# Altium PCB msp432.PcbDoc
Units mil, origin at the board's own origin, x right, y up, seen from the top; angles counter-clockwise.
Board outline 3937.01 x 3937.01 mil, 2 copper layers (Top Layer, Bottom Layer); 56 components, 95 nets, 400 pads, 39 vias.
Unrouted connection lines stored in the file: 51.
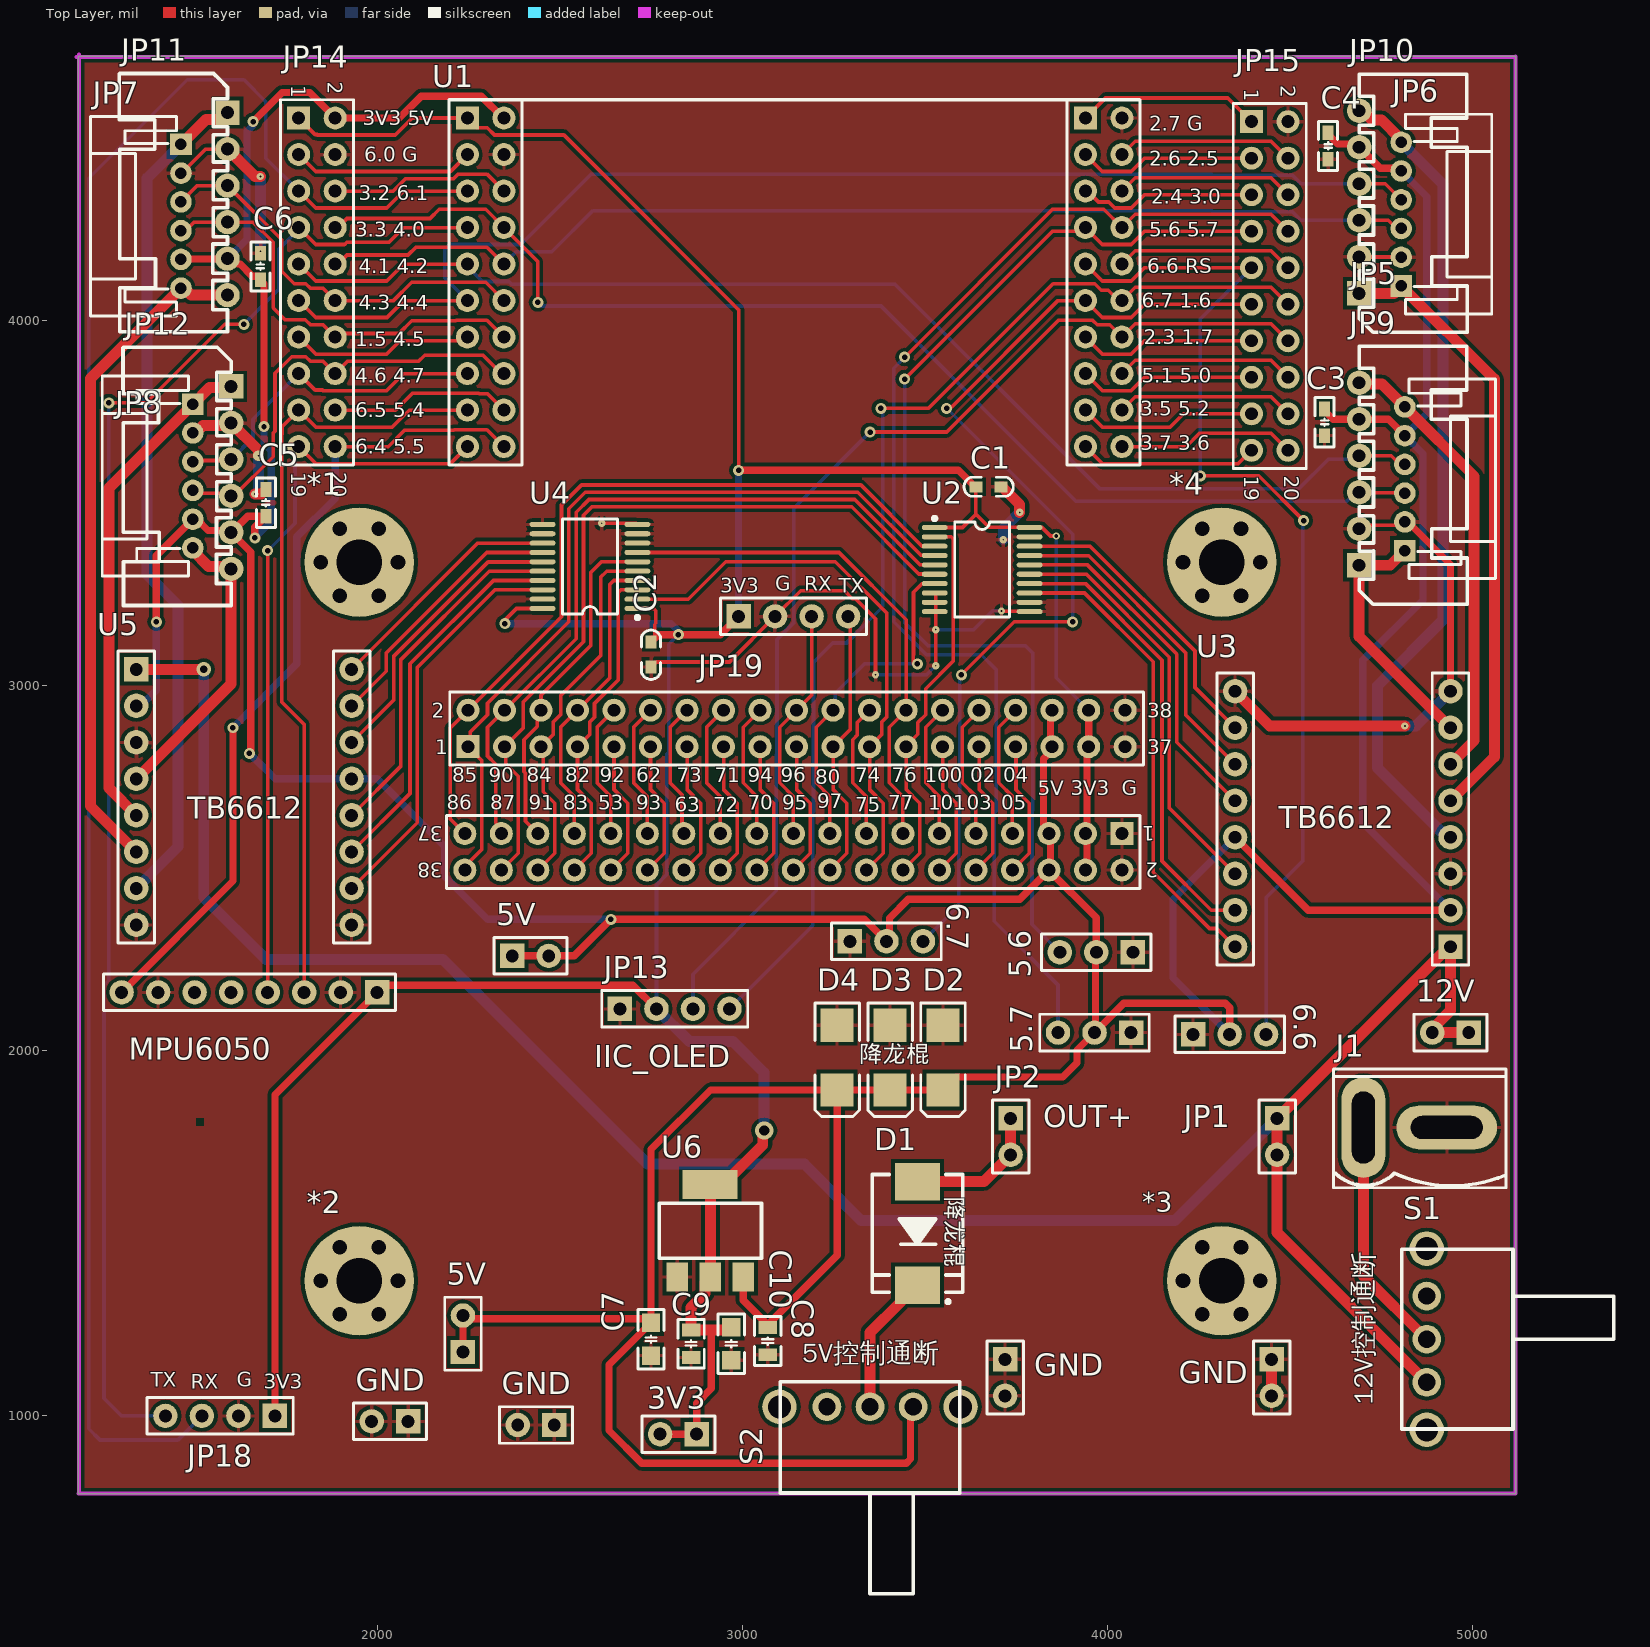
[diagram p0: Top Layer view]
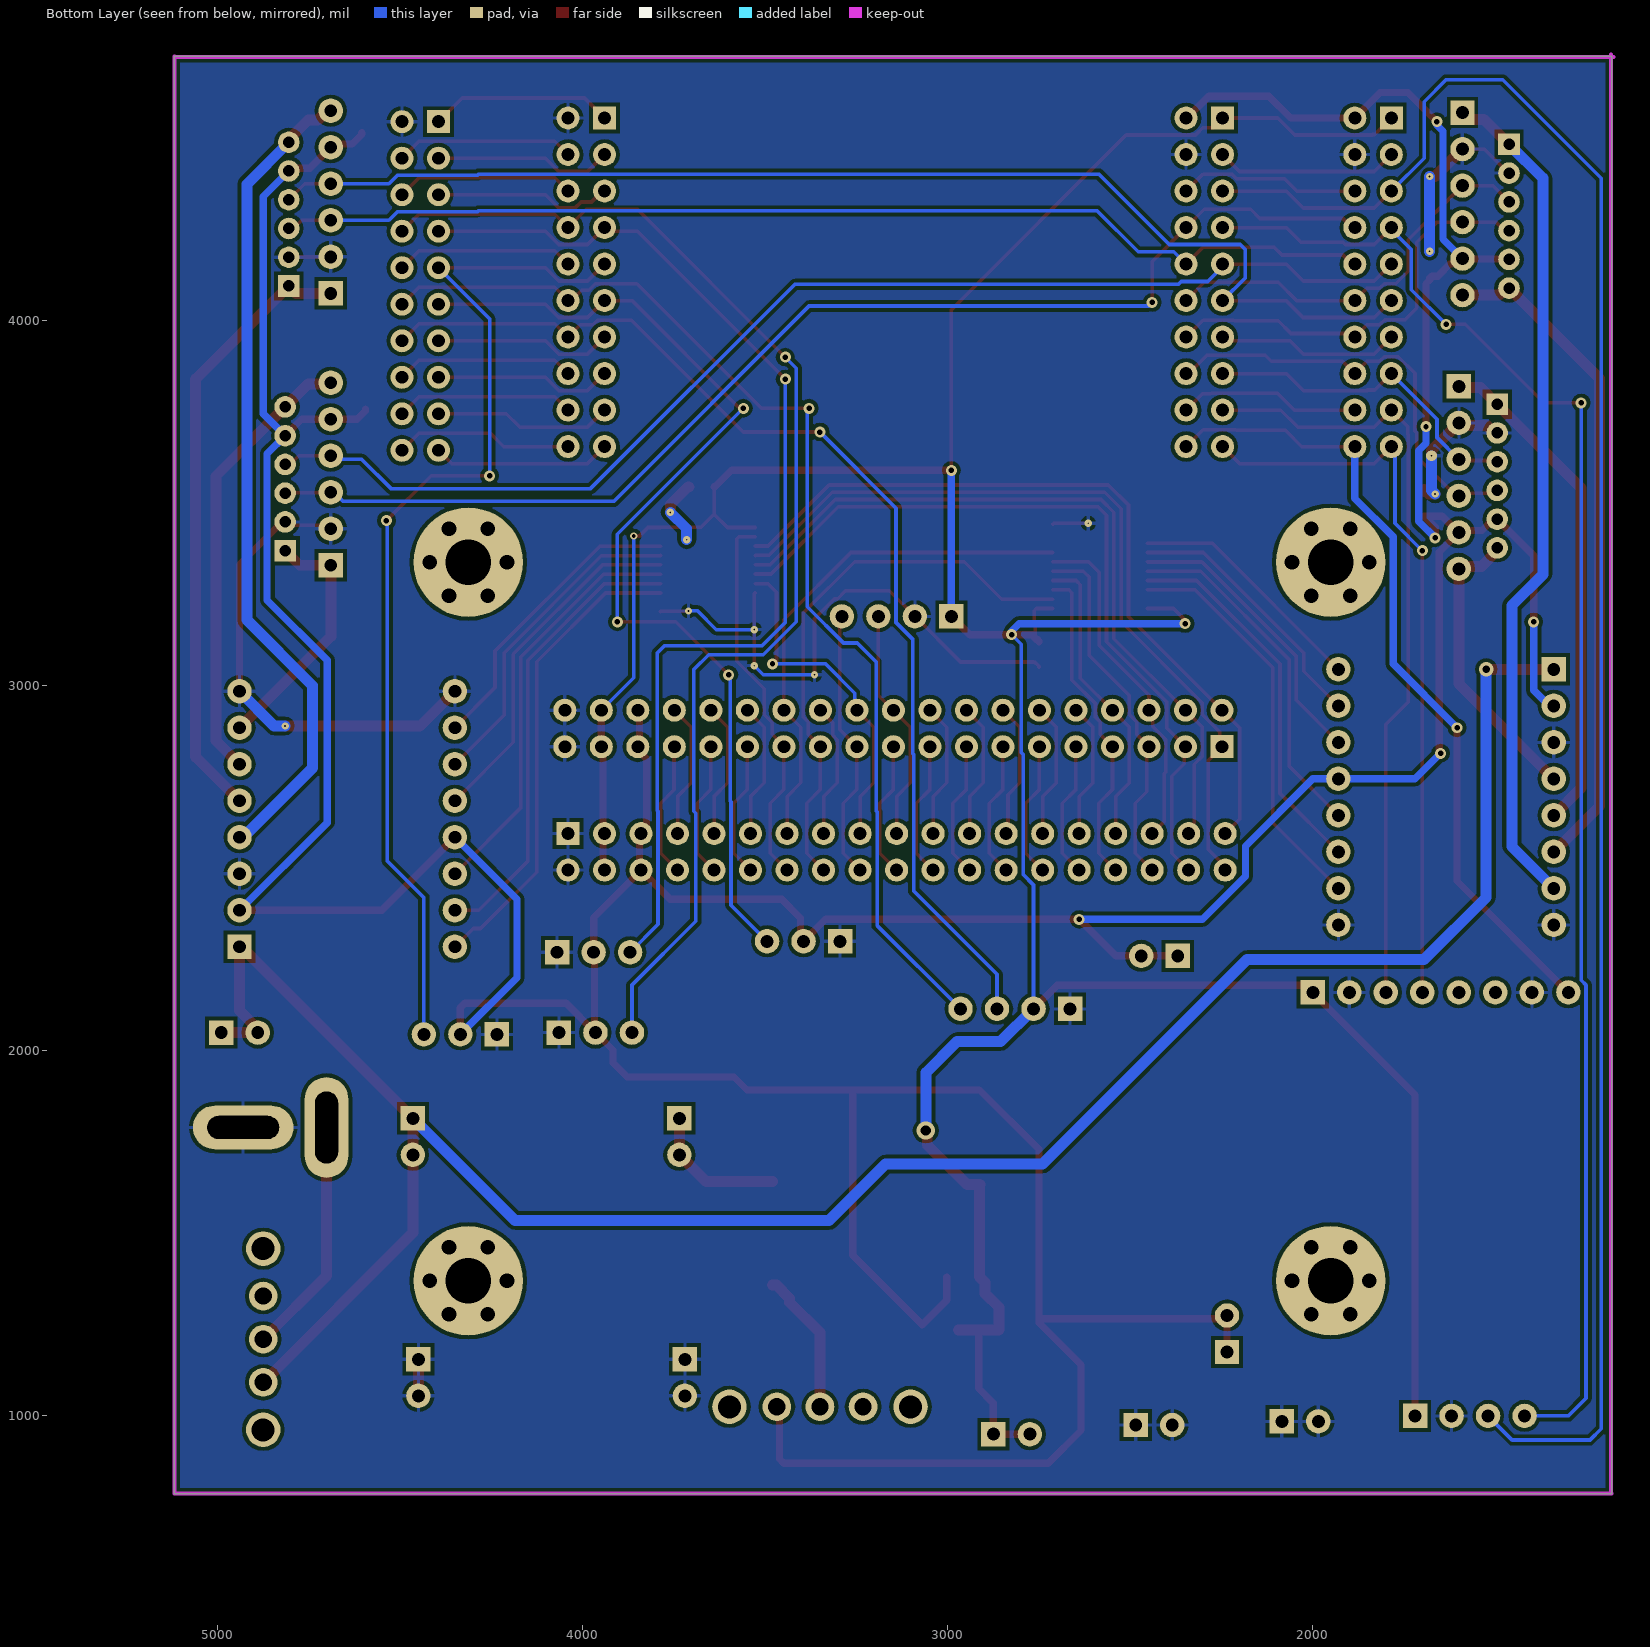
[diagram p1: Bottom Layer view, seen from below]

## Layer stack, top to bottom
Top Solder: solder mask 0.4, Solder Resist, Dk 3.5
Top Layer: signal copper 1.4
Dielectric 1: dielectric 12.6, FR-4, Dk 4.8
Bottom Layer: signal copper 1.4
Bottom Solder: solder mask 0.4, Solder Resist, Dk 3.5

## Board outline
1181.1,787.4 5118.11,787.4 5118.11,4724.41 1181.1,4724.41

## Design rules (kind name [scope] priority, off if disabled: settings)
Clearance [All] p1: gap=10 ignorepadtopadclearanceinfootprint=FALSE except(0: Arc-Hole Track-Hole SMDPad-Hole THPad-Hole Via-Hole Fill-Hole Poly-Hole Region-Hole Text-Hole)
PolygonConnect [All] p1: connectstyle=Relief reliefconductorwidth=10 reliefentries=4 polygonreliefangle="90 Angle" airgapwidth=10
RoutingVias [All] p1: holewidth=28 width=50 viastyle="Through Hole" minholewidth=28 minwidth=50 maxholewidth=28 maxwidth=50
SolderMaskExpansion [All] p1: expansion=4 istentingtop=FALSE
Width [All] p1: maxlimit=30 minlimit=10 preferedwidth=10
30 further rules are at their usual default settings.

## Classes and differential pairs
component class 432驱动: 5V 12V *1 *2 *3 *4 C1 C2 C3 C4 C5 C6 C7 C8 C9 C10 D1 D2 D3 D4 GND J1 JP1 JP2 JP5 JP6 JP7 JP8 JP9 JP10 JP11 JP12 JP13 JP14 JP15 JP18 JP19 S1 S2 U1 U2 U3 U4 U5 U6

## Components (designator, comment, footprint, x,y, rotation, side; value= is the part's Value field where it differs from the comment)
3V3 "HDR-1X2" HDR2.54-M-LI-2P 2825,950 r180 top (schematic designator JP27)
5.6 "HDR-1X3" HDR2.54-LI-3P 3970,2270 r180 top (schematic designator JP21)
5.7 "HDR-1X3" HDR2.54-LI-3P 3965,2050 r180 top (schematic designator JP22)
5V "HDR-1X2" HDR2.54-M-LI-2P 2420,2260 r0 top (schematic designator JP28)
5V "HDR-1X2" HDR2.54-M-LI-2P 2235,1225 r90 top (schematic designator JP25)
6.6 "HDR-1X3" HDR2.54-LI-3P 4335,2045 r0 top (schematic designator JP23)
6.7 "HDR-1X3" HDR2.54-LI-3P 3395,2300 r0 top (schematic designator JP20)
12V "HDR-1X2" HDR2.54-M-LI-2P 4940,2050 r180 top (schematic designator JP24)
*1 "M3" "M3 125X300" 1951,3338.5 r0 top
*2 "M3" "M3 125X300" 1951,1370 r0 top
*3 "M3" "M3 125X300" 4313.2,1370 r0 top
*4 "M3" "M3 125X300" 4313.2,3338.5 r0 top
C1 "104" "C 0603" 3675,3545 r0 top
C2 "104" "C 0603" 2750,3085 r270 top
C3 "104" "C 0603_M" 4595,3721.5 r270 top
C4 "104" "C 0603_M" 4605,4478.5 r270 top
C5 "104" "C 0603_M" 1695,3501 r90 top
C6 "104" "C 0603_M" 1680,4148.5 r90 top
C7 "106" "C 0805_M" 2750,1210 r90 top
C8 "104" "C 0805_L" 3070,1205 r90 top
C9 "104" "C 0805_L" 2860,1197.6 r90 top
C10 "106" "C 0805_M" 2970,1197.6 r90 top
D1 "SS34" SMC 3480,1500 r270 top
D2 "TVS" SMB 3550,1981.42 r270 top
D3 "TVS" SMB 3405,1981.42 r270 top
D4 "TVS" SMB 3260,1981.42 r270 top
GND "HDR-1X2" HDR2.54-M-LI-2P 2035,985 r180 top (schematic designator JP29)
GND "HDR-1X2" HDR2.54-M-LI-2P 2435,975 r180 top (schematic designator JP26)
GND "HDR-1X2" HDR2.54-M-LI-2P 3720,1105 r270 top (schematic designator JP4)
GND "HDR-1X2" HDR2.54-M-LI-2P 4450,1105 r270 top (schematic designator JP3)
J1 "XT" T-SET 4701.65,1790 r0 top
JP1 "HDR-1X2" HDR2.54-M-LI-2P 4465,1765 r270 top
JP2 "HDR-1X2" HDR2.54-M-LI-2P 3735,1765 r270 top
JP5 "HDR-1X6" PH2.0-WI-6P 4815,3566.89 r90 top
JP6 "HDR-1X6" PH2.0-WI-6P 4805,4291.89 r90 top
JP7 "HDR-1X6" PH2.0-WI-6P 1462.57,4285.96 r270 top
JP8 "HDR-1X6" PH2.0-WI-6P 1495,3574.37 r270 top
JP9 "HDR-1X6" XH2.54-WI-6P 4690,3580 r90 top
JP10 "HDR-1X6" XH2.54-WI-6P 4690,4325 r90 top
JP11 "HDR-1X6" XH2.54-WI-6P 1590,4320 r270 top
JP12 "HDR-1X6" XH2.54-WI-6P 1600,3570 r270 top
JP13 "HDR-1X4" HDR2.54-M-LI-4P 2815,2115 r0 top
JP14 "Header 2X10" HDR2.54-LI-2x10P 1835,4105 r270 top
JP15 "Header 2X10" HDR2.54-LI-2x10P 4445,4095 r270 top
JP16 "Header 2X11" HDR2.54-LI-2x19P 3140,2545 r180 top
JP18 "HDR-1X4" HDR2.54-LI-4P 1570,1000 r180 top
JP19 "HDR-1X4" HDR2.54-LI-4P 3140,3190 r0 top
MPU6050 "HDR-1X8" HDR2.54-M-LI-8P 1650,2160 r180 top (schematic designator JP17)
S1 "SS-12F23" SS-12F23 4875,1210 r0 top
S2 "SS-12F23" SS-12F23 3350,1025 r270 top
U1 "MSP432" msp432 2197.09,4605 r0 top
U2 "SN74LVC245APWR" TTSOP 3645,3325 r0 top
U3 "TB6612FNG,C,8,EL" "PCBComponent_1 - duplicate" 4675,1735 r90 top
U4 "SN74LVC245APWR" TTSOP 2595,3320 r180 top
U5 "TB6612FNG,C,8,EL" "PCBComponent_1 - duplicate" 1605,3595 r270 top
U6 "" SOT-223 2910,1510 r0 top

## Footprints (in the part's own frame and the unit in brackets; to place one, negate y for a bottom-side part, rotate by r counter-clockwise, add the part's x,y. Pads: shape width x height; smd on the part's side, far side on the other; paste and mask are expansions set on the pad)
"C 0603" [mil] "无极性贴片电容"
  rect 35x30 smd: 1(-35,0) 2(34,0)
  silkscreen extent -67,-26 67,26, body extent -31,-16 31,16, height 32
"C 0603_M" [mil] "无极性贴片电容"
  rect 40x30 smd: 1(-36.5,0) 2(36.5,0)
  silkscreen extent -68,-26 68,26, body extent -31,-16 31,16, height 32
"C 0805_L" [mil] "无极性贴片电容                    @sucaita.com 素材塔"
  rect 35x50 smd: 1(-37.4,0) 2(37.4,0)
  silkscreen extent -67,-36 67,36, body extent -39,-24 39,24, height 20
"C 0805_M" [mil] "无极性贴片电容"
  rect 50x50 smd: 1(-45,0) 2(45,0)
  silkscreen extent -81,-36 81,36, body extent -39,-24 39,24, height 20
HDR2.54-LI-2x10P [mm] "双排排针，10x2脚                    @sucaita.com 素材塔"
  rect 1.6x1.6 hole 0.9: 1(-11.43,-1.27)
  round 1.6 hole 0.9: 2(-11.43,1.27) 3(-8.89,-1.27) 4(-8.89,1.27) 5(-6.35,-1.27) 6(-6.35,1.27) 7(-3.81,-1.27) 8(-3.81,1.27) 9(-1.27,-1.27) 10(-1.27,1.27) 11(1.27,-1.27) 12(1.27,1.27) 13(3.81,-1.27) 14(3.81,1.27) 15(6.35,-1.27) 16(6.35,1.27) 17(8.89,-1.27) 18(8.89,1.27) 19(11.43,-1.27) 20(11.43,1.27)
  silkscreen extent -12.7,-2.54 12.7,2.54, body extent -12.7,-2.54 12.7,2.54, height 8.5
HDR2.54-LI-2x19P [mm] "双排排针，19x2脚                    @sucaita.com 素材塔"
  rect 1.6x1.6 hole 0.9: 1(-22.86,-1.27)
  round 1.6 hole 0.9: 2(-22.86,1.27) 3(-20.32,-1.27) 4(-20.32,1.27) 5(-17.78,-1.27) 6(-17.78,1.27) 7(-15.24,-1.27) 8(-15.24,1.27) 9(-12.7,-1.27) 10(-12.7,1.27) 11(-10.16,-1.27) 12(-10.16,1.27) 13(-7.62,-1.27) 14(-7.62,1.27) 15(-5.08,-1.27) 16(-5.08,1.27) 17(-2.54,-1.27) 18(-2.54,1.27) 19(0,-1.27) 20(0,1.27) 21(2.54,-1.27) 22(2.54,1.27) 23(5.08,-1.27) 24(5.08,1.27) 25(7.62,-1.27) 26(7.62,1.27) 27(10.16,-1.27) 28(10.16,1.27) 29(12.7,-1.27) 30(12.7,1.27) 31(15.24,-1.27) 32(15.24,1.27) 33(17.78,-1.27) 34(17.78,1.27) 35(20.32,-1.27) 36(20.32,1.27) 37(22.86,-1.27) 38(22.86,1.27)
  silkscreen extent -24.13,-2.54 24.13,2.54, body extent -24.13,-2.54 24.13,2.54, height 8.5
HDR2.54-LI-3P [mm] "排针，3脚"
  rect 1.7x1.7 hole 0.9: 1(-2.54,0)
  round 1.7 hole 0.9: 2(0,0) 3(2.54,0)
  silkscreen extent -3.81,-1.27 3.81,1.27, body extent -3.81,-1.27 3.81,1.27, height 8.5
HDR2.54-LI-4P [mm] "排针，4脚"
  rect 1.7x1.7 hole 0.9: 1(-3.81,0)
  round 1.7 hole 0.9: 2(-1.27,0) 3(1.27,0) 4(3.81,0)
  silkscreen extent -5.08,-1.27 5.08,1.27, body extent -5.08,-1.27 5.08,1.27, height 8.5
HDR2.54-M-LI-2P [mm] "排母，2脚"
  rect 1.7x1.7 hole 0.9: 1(-1.27,0)
  round 1.7 hole 0.9: 2(1.27,0)
  silkscreen extent -2.54,-1.27 2.54,1.27, body extent -2.54,-1.27 2.54,1.27, height 8.5
HDR2.54-M-LI-4P [mm] "排母，4脚"
  rect 1.7x1.7 hole 0.9: 1(-3.81,0)
  round 1.7 hole 0.9: 2(-1.27,0) 3(1.27,0) 4(3.81,0)
  silkscreen extent -5.08,-1.27 5.08,1.27, body extent -5.08,-1.27 5.08,1.27, height 8.5
HDR2.54-M-LI-8P [mm] "排母，8脚"
  rect 1.7x1.7 hole 0.9: 1(-8.89,0)
  round 1.7 hole 0.9: 2(-6.35,0) 3(-3.81,0) 4(-1.27,0) 5(1.27,0) 6(3.81,0) 7(6.35,0) 8(8.89,0)
  silkscreen extent -10.16,-1.27 10.16,1.27, body extent -10.16,-1.27 10.16,1.27, height 8.5
"M3 125X300" [mil] "M3螺丝孔，孔125Mil，焊盘300Mil"
  round 300 hole 125: 1(0,0)
  round 40 hole 40: 6(-106,0) 7(-53,-91.8) 8(53,-91.8) 9(106,0) 10(53,91.8) 11(-53,91.8)
msp432 [mm]
  rect 1.6x1.6 hole 0.9: 1(1.27,-1.27) 22(1.316,-45.01) 78(44.27,-1.27)
  round 1.6 hole 0.9: 2(3.81,-1.27) 3(1.27,-3.81) 4(3.81,-3.81) 5(1.27,-6.35) 6(3.81,-6.35) 7(1.27,-8.89) 8(3.81,-8.89) 9(1.27,-11.43) 10(3.81,-11.43) 11(1.27,-13.97) 12(3.81,-13.97) 13(1.27,-16.51) 14(3.81,-16.51) 15(1.27,-19.05) 16(3.81,-19.05) 17(1.27,-21.59) 18(3.81,-21.59) 19(1.27,-24.13) 20(3.81,-24.13) 21(1.316,-42.47) 23(3.856,-42.47) 24(3.856,-45.01) 25(6.396,-42.47) 26(6.396,-45.01) 27(8.936,-42.47) 28(8.936,-45.01) 29(11.476,-42.47) 30(11.476,-45.01) 31(14.016,-42.47) 32(14.016,-45.01) 33(16.556,-42.47) 34(16.556,-45.01) 35(19.096,-42.47) 36(19.096,-45.01) 37(21.636,-42.47) 38(21.636,-45.01) 39(24.176,-42.47) 40(24.176,-45.01) 41(26.716,-42.47) 42(26.716,-45.01) 43(29.256,-42.47) 44(29.256,-45.01) 45(31.796,-42.47) 46(31.796,-45.01) 47(34.336,-42.47) 48(34.336,-45.01) 49(36.876,-42.47) 50(36.876,-45.01) 51(39.416,-42.47) 52(39.416,-45.01) 53(41.956,-42.47) 54(41.956,-45.01) 55(44.496,-42.47) 56(44.496,-45.01) 57(47.036,-42.47) 58(47.036,-45.01) 59(46.81,-24.13) 60(44.27,-24.13) 61(46.81,-21.59) 62(44.27,-21.59) 63(46.81,-19.05) 64(44.27,-19.05) 65(46.81,-16.51) 66(44.27,-16.51) 67(46.81,-13.97) 68(44.27,-13.97) 69(46.81,-11.43) 70(44.27,-11.43) 71(46.81,-8.89) 72(44.27,-8.89) 73(46.81,-6.35) 74(44.27,-6.35) 75(46.81,-3.81) 76(44.27,-3.81) 77(46.81,-1.27)
  silkscreen extent 0,-46.28 48.31,0, body extent 0,-46.28 48.31,0, height 8.5
"PCBComponent_1 - duplicate" [mm]
  rect 1.7x1.7 hole 0.9: 1(13.97,-6.731)
  round 1.7 hole 0.9: 2(16.51,-6.731) 3(19.05,-6.731) 4(21.59,-6.731) 5(24.13,-6.731) 6(26.67,-6.731) 7(29.21,-6.731) 8(31.75,-6.731) 9(31.75,8.255) 10(29.21,8.255) 11(26.67,8.255) 12(24.13,8.255) 13(21.59,8.255) 14(19.05,8.255) 15(16.51,8.255) 16(13.97,8.255)
  silkscreen extent 12.7,-8 33.02,9.53, body extent 12.37,-9.69 33.35,11.21, height 6.08
PH2.0-WI-6P [mm] "长：13.9mm，宽：6mm，高：4.7mm                    @sucaita.com 素材塔"
  rect 1.5x1.5 hole 0.8: 1(-5,0)
  round 1.5 hole 0.8: 2(-3,0) 3(-1,0) 4(1,0) 5(3,0) 6(5,0)
  silkscreen extent -6.95,-6.3 6.95,-0.3, body extent -6.95,-6.3 6.95,0.3, height 4.75
SMB [mm] "DO-214-AA/SMB; 2 C-Bend Leads; Body 5.3 x 3.6 mm, inc. leads (LxW)"
  rect 2.3x2.3 smd: 1(-2.25,0) 2(2.25,0)
  silkscreen extent -3.8,-1.55 4.1,1.55
SMC [mm] "7.1x5.9*2.3mm（长宽高，不包括引脚）"
  rect 2.6x3.15 smd: 1(-3.6,0) 2(3.6,0)
  silkscreen extent -4.1,-3.15 4.87,3.15, body extent -3.95,-2.9 3.95,2.9, height 2.45
SOT-223 [mil] "@sucaita.com 素材塔"
  rect 59x79 smd: 1(-88,-130) 2(2.55,-130) 3(93.1,-130)
  rect 150x79 smd: 2(1.88,123.54)
  silkscreen extent -137,-78 143,72, body extent -126,-139 130,135, height 67
SS-12F23 [mm] "脚距3mm"
  round 2.4 hole 1.6: 0(0,-6.3) 0(0,6.3)
  round 2 hole 1.2: 1(0,3) 2(0,0) 3(0,-3)
  silkscreen extent -1.75,-6.25 13,6.25, body extent -0.61,-6.52 12.29,6.48, height 5.75
T-SET [mm]
  oval 3.048x7 hole 1.6 slot 5 at 90 deg: 1(0,0)
  oval 7x3.048 hole 1.6 slot 5 at 0 deg: 2(5.8,0)
  silkscreen extent -2.08,-4.19 9.91,4.06
TTSOP [mm]
  oval 1.8x0.35 smd: 1(-2.993,2.753) 2(-2.993,2.103) 3(-2.993,1.453) 4(-2.993,0.803) 5(-2.993,0.153) 6(-2.993,-0.497) 7(-2.993,-1.147) 8(-2.993,-1.797) 9(-2.993,-2.447) 10(-2.993,-3.097) 11(3.607,-3.097) 12(3.607,-2.447) 13(3.607,-1.797) 14(3.607,-1.147) 15(3.607,-0.497) 16(3.607,0.153) 17(3.607,0.803) 18(3.607,1.453) 19(3.607,2.103) 20(3.607,2.753)
  silkscreen extent -3.12,-3.47 2.21,3.51, body extent -2.9,-3.42 3.51,3.08, height 1.03
XH2.54-WI-6P [mm] "接插件，6P"
  rect 1.7x1.7 hole 0.9: 1(-6.35,0)
  round 1.7 hole 0.9: 2(-3.81,0) 3(-1.27,0) 4(1.27,0) 5(3.81,0) 6(6.35,0)
  silkscreen extent -9.07,-7.53 8.89,0, body extent -8.85,-7.35 8.85,0.35, height 5.75
